# Altium PCB amp.PcbDoc (part 1 of 20) (continued)
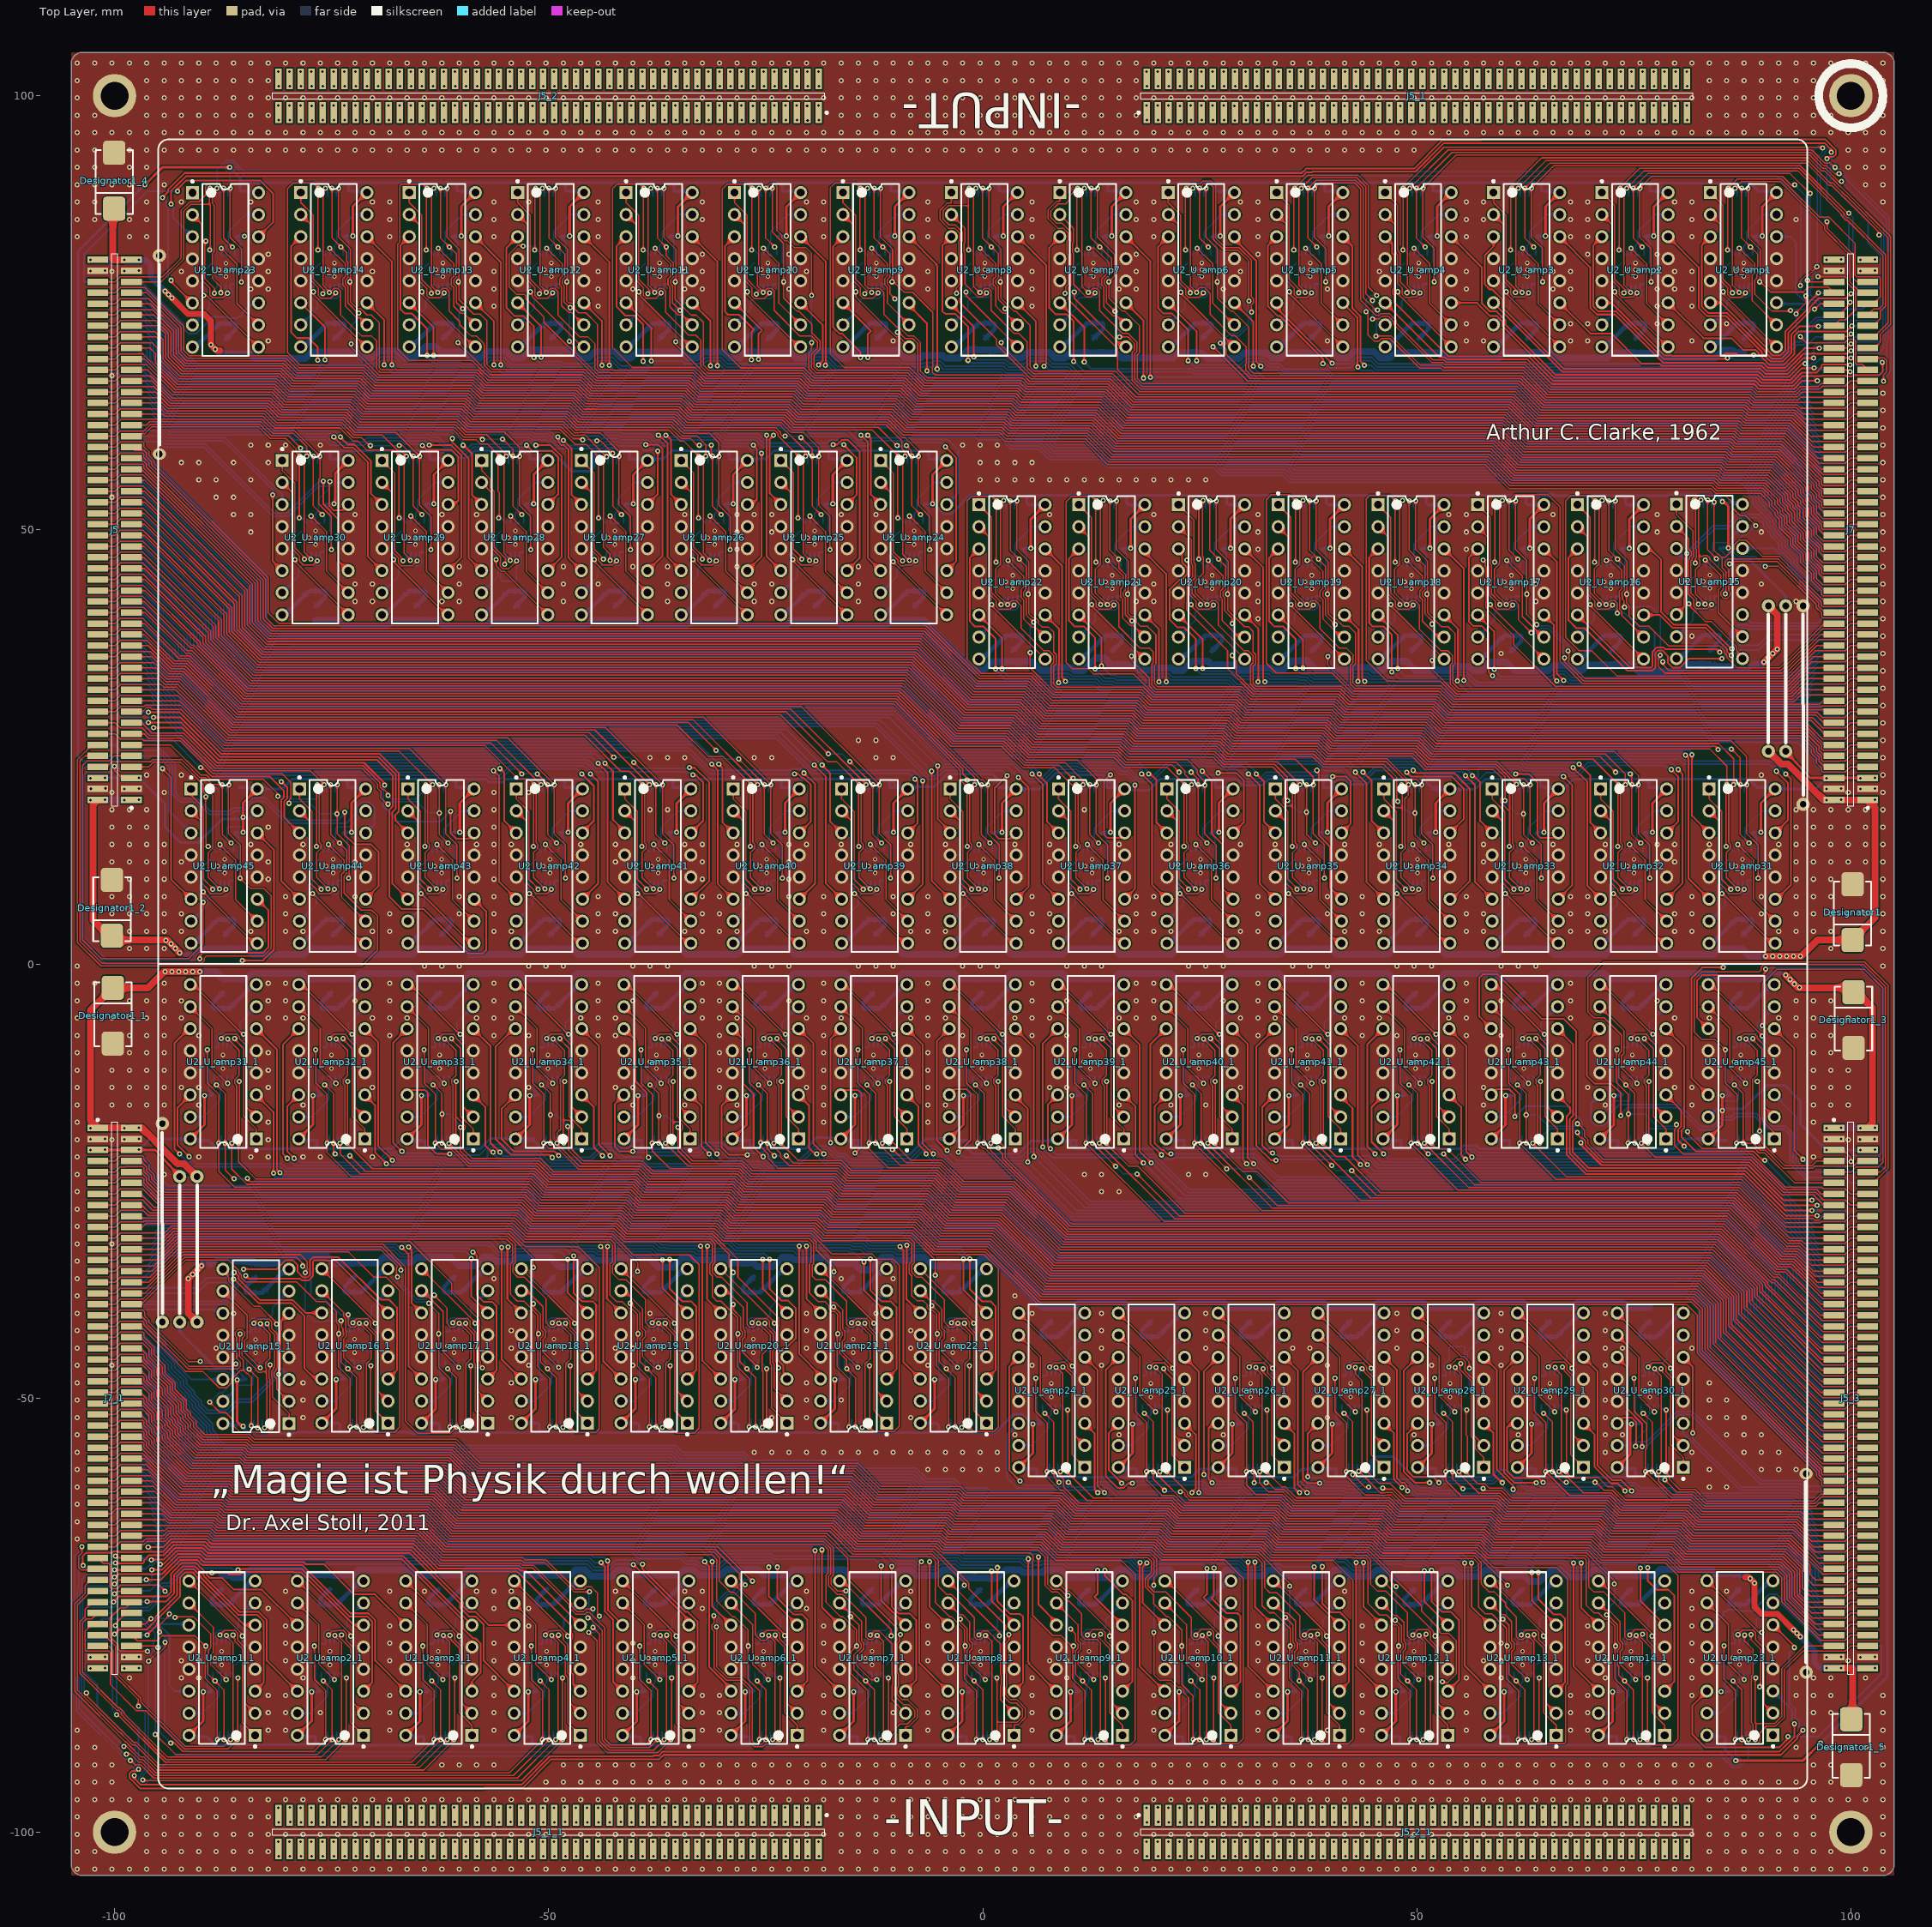
[diagram p0: Top Layer view]
## Design rules (kind name [scope] priority, off if disabled: settings) (continued)
RoomDefinition U_amp10 [InComponentClass('U_amp10')] p82: confinementstyle=ConfineIn formatcopy=FALSE lockcomponents=FALSE outline -30.029,69.106 -19.539,69.106 -19.539,91.007 -30.029,91.007
RoomDefinition U_amp9 [InComponentClass('U_amp9')] p83: confinementstyle=ConfineIn formatcopy=FALSE lockcomponents=FALSE outline -17.539,69.106 -7.049,69.106 -7.049,91.007 -17.539,91.007
RoomDefinition U_amp8 [InComponentClass('U_amp8')] p84: confinementstyle=ConfineIn formatcopy=FALSE lockcomponents=FALSE outline -5.049,69.106 5.441,69.106 5.441,91.007 -5.049,91.007
RoomDefinition U_amp7 [InComponentClass('U_amp7')] p85: confinementstyle=ConfineIn formatcopy=FALSE lockcomponents=FALSE outline 7.441,69.106 17.931,69.106 17.931,91.007 7.441,91.007
RoomDefinition U_amp6 [InComponentClass('U_amp6')] p86: confinementstyle=ConfineIn formatcopy=FALSE lockcomponents=FALSE outline 19.931,69.106 30.422,69.106 30.422,91.007 19.931,91.007
RoomDefinition U_amp5 [InComponentClass('U_amp5')] p87: confinementstyle=ConfineIn formatcopy=FALSE lockcomponents=FALSE outline 32.422,69.106 42.912,69.106 42.912,91.007 32.422,91.007
RoomDefinition U_amp4 [InComponentClass('U_amp4')] p88: confinementstyle=ConfineIn formatcopy=FALSE lockcomponents=FALSE outline 44.912,69.106 55.402,69.106 55.402,91.007 44.912,91.007
RoomDefinition U_amp3 [InComponentClass('U_amp3')] p89: confinementstyle=ConfineIn formatcopy=FALSE lockcomponents=FALSE outline 57.402,69.106 67.892,69.106 67.892,91.007 57.402,91.007
RoomDefinition U_amp2 [InComponentClass('U_amp2')] p90: confinementstyle=ConfineIn formatcopy=FALSE lockcomponents=FALSE outline 69.892,69.106 80.382,69.106 80.382,91.007 69.892,91.007
RoutingVias [All] p1: holewidth=0.3 width=0.6 viastyle="Through Hole" minholewidth=0.3 minwidth=0.5 maxholewidth=0.711 maxwidth=1.27
SolderMaskExpansion [All] p1: expansion=0.102
Width [All] p1: maxlimit=1 minlimit=0.15 preferedwidth=0.15
28 further rules are at their usual default settings.

## Classes and differential pairs
channel class amp: U_amp1 U_amp2 U_amp3 U_amp4 U_amp5 U_amp6 U_amp7 U_amp8 U_amp9 U_amp10 U_amp11 U_amp12 U_amp13 U_amp14 U_amp15 U_amp16 U_amp17 U_amp18 U_amp19 U_amp20 U_amp21 U_amp22 U_amp23 U_amp24 U_amp25 U_amp26 U_amp27 U_amp28 U_amp29 U_amp30 U_amp31 U_amp32 U_amp33 U_amp34 U_amp35 U_amp36 U_amp37 U_amp38 U_amp39 U_amp40 U_amp41 U_amp42 U_amp43 U_amp44 U_amp45 U_amp46 U_amp47 U_amp48 U_amp49 U_amp50 U_amp51 U_amp52 U_amp53 U_amp54 U_amp55 U_amp56 U_amp57 U_amp58 U_amp59 U_amp60 U_amp61 U_amp62 U_amp63 U_amp64 U_amp65 U_amp66 U_amp67 U_amp68 U_amp69 U_amp70 U_amp71 U_amp72 U_amp73 U_amp74 U_amp75 U_amp76 U_amp77 U_amp78 U_amp79 U_amp80 U_amp81 U_amp82 U_amp83 U_amp84 U_amp85 U_amp86 U_amp87 U_amp88 U_amp89 U_amp90
component class U_amp45: C1_U_amp45 C2_U_amp45 C3_U_amp45 C4_U_amp45 R1_U_amp45 R2_U_amp45 U1_U_amp45
component class U_amp44: C1_U_amp44 C2_U_amp44 C3_U_amp44 C4_U_amp44 R1_U_amp44 R2_U_amp44 U1_U_amp44 U2_U_amp44
component class U_amp43: C1_U_amp43 C2_U_amp43 C3_U_amp43 C4_U_amp43 R1_U_amp43 R2_U_amp43 U1_U_amp43 U2_U_amp43
component class U_amp42: C1_U_amp42 C2_U_amp42 C3_U_amp42 C4_U_amp42 R1_U_amp42 R2_U_amp42 U1_U_amp42 U2_U_amp42
component class U_amp41: C1_U_amp41 C2_U_amp41 C3_U_amp41 C4_U_amp41 R1_U_amp41 R2_U_amp41 U1_U_amp41 U2_U_amp41
component class U_amp40: C1_U_amp40 C2_U_amp40 C3_U_amp40 C4_U_amp40 R1_U_amp40 R2_U_amp40 U1_U_amp40 U2_U_amp40
component class U_amp39: C1_U_amp39 C2_U_amp39 C3_U_amp39 C4_U_amp39 R1_U_amp39 R2_U_amp39 U1_U_amp39 U2_U_amp39
component class U_amp38: C1_U_amp38 C2_U_amp38 C3_U_amp38 C4_U_amp38 R1_U_amp38 R2_U_amp38 U1_U_amp38 U2_U_amp38
component class U_amp37: C1_U_amp37 C2_U_amp37 C3_U_amp37 C4_U_amp37 R1_U_amp37 R2_U_amp37 U1_U_amp37 U2_U_amp37
component class U_amp36: C1_U_amp36 C2_U_amp36 C3_U_amp36 C4_U_amp36 R1_U_amp36 R2_U_amp36 U1_U_amp36 U2_U_amp36
component class U_amp35: C1_U_amp35 C2_U_amp35 C3_U_amp35 C4_U_amp35 R1_U_amp35 R2_U_amp35 U1_U_amp35 U2_U_amp35
component class U_amp34: C1_U_amp34 C2_U_amp34 C3_U_amp34 C4_U_amp34 R1_U_amp34 R2_U_amp34 U1_U_amp34 U2_U_amp34
component class U_amp33: C1_U_amp33 C2_U_amp33 C3_U_amp33 C4_U_amp33 R1_U_amp33 R2_U_amp33 U1_U_amp33 U2_U_amp33
component class U_amp32: C1_U_amp32 C2_U_amp32 C3_U_amp32 C4_U_amp32 R1_U_amp32 R2_U_amp32 U1_U_amp32 U2_U_amp32
component class U_amp31: C1_U_amp31 C2_U_amp31 C3_U_amp31 C4_U_amp31 R1_U_amp31 R2_U_amp31 U1_U_amp31 U2_U_amp31
component class U_amp30: C1_U_amp30 C2_U_amp30 C3_U_amp30 C4_U_amp30 R1_U_amp30 R2_U_amp30 U1_U_amp30 U2_U_amp30
component class U_amp29: C1_U_amp29 C2_U_amp29 C3_U_amp29 C4_U_amp29 R1_U_amp29 R2_U_amp29 U1_U_amp29 U2_U_amp29
component class U_amp28: C1_U_amp28 C2_U_amp28 C3_U_amp28 C4_U_amp28 R1_U_amp28 R2_U_amp28 U1_U_amp28 U2_U_amp28
component class U_amp27: C1_U_amp27 C2_U_amp27 C3_U_amp27 C4_U_amp27 R1_U_amp27 R2_U_amp27 U1_U_amp27 U2_U_amp27
component class U_amp26: C1_U_amp26 C2_U_amp26 C3_U_amp26 C4_U_amp26 R1_U_amp26 R2_U_amp26 U1_U_amp26 U2_U_amp26
component class U_amp25: C1_U_amp25 C2_U_amp25 C3_U_amp25 C4_U_amp25 R1_U_amp25 R2_U_amp25 U1_U_amp25 U2_U_amp25
component class U_amp24: C1_U_amp24 C2_U_amp24 C3_U_amp24 C4_U_amp24 R1_U_amp24 R2_U_amp24 U1_U_amp24 U2_U_amp24
component class U_amp23: C1_U_amp23 C2_U_amp23 C3_U_amp23 C4_U_amp23 R1_U_amp23 R2_U_amp23 U1_U_amp23 U2_U_amp23
component class U_amp22: C1_U_amp22 C2_U_amp22 C3_U_amp22 C4_U_amp22 R1_U_amp22 R2_U_amp22 U1_U_amp22 U2_U_amp22
component class U_amp21: C1_U_amp21 C2_U_amp21 C3_U_amp21 C4_U_amp21 R1_U_amp21 R2_U_amp21 U1_U_amp21 U2_U_amp21
component class U_amp20: C1_U_amp20 C2_U_amp20 C3_U_amp20 C4_U_amp20 R1_U_amp20 R2_U_amp20 U1_U_amp20 U2_U_amp20
component class U_amp19: C1_U_amp19 C2_U_amp19 C3_U_amp19 C4_U_amp19 R1_U_amp19 R2_U_amp19 U1_U_amp19 U2_U_amp19
component class U_amp18: C1_U_amp18 C2_U_amp18 C3_U_amp18 C4_U_amp18 R1_U_amp18 R2_U_amp18 U1_U_amp18
component class U_amp17: C1_U_amp17 C2_U_amp17 C3_U_amp17 C4_U_amp17 R1_U_amp17 R2_U_amp17 U1_U_amp17 U2_U_amp17
component class U_amp16: C1_U_amp16 C2_U_amp16 C3_U_amp16 C4_U_amp16 R1_U_amp16 R2_U_amp16 U1_U_amp16 U2_U_amp16
component class U_amp15: C1_U_amp15 C2_U_amp15 C3_U_amp15 C4_U_amp15 R1_U_amp15 R2_U_amp15 U1_U_amp15 U2_U_amp15
component class U_amp14: C1_U_amp14 C2_U_amp14 C3_U_amp14 C4_U_amp14 R1_U_amp14 R2_U_amp14 U1_U_amp14 U2_U_amp14
component class U_amp13: C1_U_amp13 C2_U_amp13 C3_U_amp13 C4_U_amp13 R1_U_amp13 R2_U_amp13 U1_U_amp13
component class U_amp12: C1_U_amp12 C2_U_amp12 C3_U_amp12 C4_U_amp12 R1_U_amp12 R2_U_amp12 U1_U_amp12 U2_U_amp12
component class U_amp11: C1_U_amp11 C2_U_amp11 C3_U_amp11 C4_U_amp11 R1_U_amp11 R2_U_amp11 U1_U_amp11 U2_U_amp11
component class U_amp10: C1_U_amp10 C2_U_amp10 C3_U_amp10 C4_U_amp10 R1_U_amp10 R2_U_amp10 U1_U_amp10 U2_U_amp10
component class U_amp9: C1_U_amp9 C2_U_amp9 C3_U_amp9 C4_U_amp9 R1_U_amp9 R2_U_amp9 U1_U_amp9 U2_U_amp9
component class U_amp8: C1_U_amp8 C2_U_amp8 C3_U_amp8 C4_U_amp8 R1_U_amp8 R2_U_amp8 U1_U_amp8 U2_U_amp8
component class U_amp7: C1_U_amp7 C2_U_amp7 C3_U_amp7 C4_U_amp7 R1_U_amp7 R2_U_amp7 U1_U_amp7 U2_U_amp7
component class U_amp6: C1_U_amp6 C2_U_amp6 C3_U_amp6 C4_U_amp6 R1_U_amp6 R2_U_amp6 U1_U_amp6 U2_U_amp6
component class U_amp5: C1_U_amp5 C2_U_amp5 C3_U_amp5 C4_U_amp5 R1_U_amp5 R2_U_amp5 U1_U_amp5 U2_U_amp5
component class U_amp4: C1_U_amp4 C2_U_amp4 C3_U_amp4 C4_U_amp4 R1_U_amp4 R2_U_amp4 U1_U_amp4 U2_U_amp4
component class U_amp3: C1_U_amp3 C2_U_amp3 C3_U_amp3 C4_U_amp3 R1_U_amp3 R2_U_amp3 U1_U_amp3 U2_U_amp3
component class U_amp2: C1_U_amp2 C2_U_amp2 C3_U_amp2 C4_U_amp2 R1_U_amp2 R2_U_amp2 U1_U_amp2 U2_U_amp2
component class U_amp1: C1_U_amp1 C2_U_amp1 C3_U_amp1 C4_U_amp1 R1_U_amp1 R2_U_amp1 U1_U_amp1 U2_U_amp1
component class main: J5 J6 J7 J8

## Components (designator, comment, footprint, x,y, rotation, side; value= is the part's Value field where it differs from the comment)
C1_U_amp1 "100n 50V" C-0603-M 89.355,88.213 r90 bottom (schematic designator C1)
C1_U_amp1_1 "100n 50V" C-0603-M -89.355,-88.213 r270 bottom (schematic designator C1)
C1_U_amp2 "100n 50V" C-0603-M 76.865,88.213 r90 bottom (schematic designator C1)
C1_U_amp2_1 "100n 50V" C-0603-M -76.865,-88.213 r270 bottom (schematic designator C1)
C1_U_amp3 "100n 50V" C-0603-M 64.375,88.213 r90 bottom (schematic designator C1)
C1_U_amp3_1 "100n 50V" C-0603-M -64.375,-88.213 r270 bottom (schematic designator C1)
C1_U_amp4 "100n 50V" C-0603-M 51.885,88.213 r90 bottom (schematic designator C1)
C1_U_amp4_1 "100n 50V" C-0603-M -51.885,-88.213 r270 bottom (schematic designator C1)
C1_U_amp5 "100n 50V" C-0603-M 39.395,88.213 r90 bottom (schematic designator C1)
C1_U_amp5_1 "100n 50V" C-0603-M -39.395,-88.213 r270 bottom (schematic designator C1)
C1_U_amp6 "100n 50V" C-0603-M 26.904,88.213 r90 bottom (schematic designator C1)
C1_U_amp6_1 "100n 50V" C-0603-M -26.904,-88.213 r270 bottom (schematic designator C1)
C1_U_amp7 "100n 50V" C-0603-M 14.414,88.213 r90 bottom (schematic designator C1)
C1_U_amp7_1 "100n 50V" C-0603-M -14.414,-88.213 r270 bottom (schematic designator C1)
C1_U_amp8 "100n 50V" C-0603-M 1.924,88.213 r90 bottom (schematic designator C1)
C1_U_amp8_1 "100n 50V" C-0603-M -1.924,-88.213 r270 bottom (schematic designator C1)
C1_U_amp9 "100n 50V" C-0603-M -10.566,88.213 r90 bottom (schematic designator C1)
C1_U_amp9_1 "100n 50V" C-0603-M 10.566,-88.213 r270 bottom (schematic designator C1)
C1_U_amp10 "100n 50V" C-0603-M -23.056,88.213 r90 bottom (schematic designator C1)
C1_U_amp10_1 "100n 50V" C-0603-M 23.056,-88.213 r270 bottom (schematic designator C1)
C1_U_amp11 "100n 50V" C-0603-M -35.547,88.213 r90 bottom (schematic designator C1)
C1_U_amp11_1 "100n 50V" C-0603-M 35.547,-88.213 r270 bottom (schematic designator C1)
C1_U_amp12 "100n 50V" C-0603-M -48.037,88.213 r90 bottom (schematic designator C1)
C1_U_amp12_1 "100n 50V" C-0603-M 48.037,-88.213 r270 bottom (schematic designator C1)
C1_U_amp13 "100n 50V" C-0603-M -60.527,88.213 r90 bottom (schematic designator C1)
C1_U_amp13_1 "100n 50V" C-0603-M 60.527,-88.213 r270 bottom (schematic designator C1)
C1_U_amp14 "100n 50V" C-0603-M -73.017,88.213 r90 bottom (schematic designator C1)
C1_U_amp14_1 "100n 50V" C-0603-M 73.017,-88.213 r270 bottom (schematic designator C1)
C1_U_amp15 "100n 50V" C-0603-M 85.402,52.577 r90 bottom (schematic designator C1)
C1_U_amp15_1 "100n 50V" C-0603-M -85.402,-52.577 r270 bottom (schematic designator C1)
C1_U_amp16 "100n 50V" C-0603-M 74.045,52.253 r90 bottom (schematic designator C1)
C1_U_amp16_1 "100n 50V" C-0603-M -74.045,-52.253 r270 bottom (schematic designator C1)
C1_U_amp17 "100n 50V" C-0603-M 62.555,52.253 r90 bottom (schematic designator C1)
C1_U_amp17_1 "100n 50V" C-0603-M -62.555,-52.253 r270 bottom (schematic designator C1)
C1_U_amp18 "100n 50V" C-0603-M 51.065,52.253 r90 bottom (schematic designator C1)
C1_U_amp18_1 "100n 50V" C-0603-M -51.065,-52.253 r270 bottom (schematic designator C1)
C1_U_amp19 "100n 50V" C-0603-M 39.575,52.253 r90 bottom (schematic designator C1)
C1_U_amp19_1 "100n 50V" C-0603-M -39.575,-52.253 r270 bottom (schematic designator C1)
C1_U_amp20 "100n 50V" C-0603-M 28.084,52.253 r90 bottom (schematic designator C1)
C1_U_amp20_1 "100n 50V" C-0603-M -28.084,-52.253 r270 bottom (schematic designator C1)
C1_U_amp21 "100n 50V" C-0603-M 16.594,52.253 r90 bottom (schematic designator C1)
C1_U_amp21_1 "100n 50V" C-0603-M -16.594,-52.253 r270 bottom (schematic designator C1)
C1_U_amp22 "100n 50V" C-0603-M 5.104,52.253 r90 bottom (schematic designator C1)
C1_U_amp22_1 "100n 50V" C-0603-M -5.104,-52.253 r270 bottom (schematic designator C1)
C1_U_amp23 "100n 50V" C-0603-M -85.506,88.193 r90 bottom (schematic designator C1)
C1_U_amp23_1 "100n 50V" C-0603-M 85.506,-88.193 r270 bottom (schematic designator C1)
C1_U_amp24 "100n 50V" C-0603-M -6.222,57.359 r90 bottom (schematic designator C1)
C1_U_amp24_1 "100n 50V" C-0603-M 6.222,-57.359 r270 bottom (schematic designator C1)
C1_U_amp25 "100n 50V" C-0603-M -17.712,57.359 r90 bottom (schematic designator C1)
C1_U_amp25_1 "100n 50V" C-0603-M 17.712,-57.359 r270 bottom (schematic designator C1)
C1_U_amp26 "100n 50V" C-0603-M -29.202,57.359 r90 bottom (schematic designator C1)
C1_U_amp26_1 "100n 50V" C-0603-M 29.202,-57.359 r270 bottom (schematic designator C1)
C1_U_amp27 "100n 50V" C-0603-M -40.693,57.359 r90 bottom (schematic designator C1)
C1_U_amp27_1 "100n 50V" C-0603-M 40.693,-57.359 r270 bottom (schematic designator C1)
C1_U_amp28 "100n 50V" C-0603-M -52.183,57.359 r90 bottom (schematic designator C1)
C1_U_amp28_1 "100n 50V" C-0603-M 52.183,-57.359 r270 bottom (schematic designator C1)
C1_U_amp29 "100n 50V" C-0603-M -63.673,57.359 r90 bottom (schematic designator C1)
C1_U_amp29_1 "100n 50V" C-0603-M 63.673,-57.359 r270 bottom (schematic designator C1)
C1_U_amp30 "100n 50V" C-0603-M -75.163,57.359 r90 bottom (schematic designator C1)
C1_U_amp30_1 "100n 50V" C-0603-M 75.163,-57.359 r270 bottom (schematic designator C1)
C1_U_amp31 "100n 50V" C-0603-M 89.203,19.526 r90 bottom (schematic designator C1)
C1_U_amp31_1 "100n 50V" C-0603-M -89.203,-19.526 r270 bottom (schematic designator C1)
C1_U_amp32 "100n 50V" C-0603-M 76.713,19.526 r90 bottom (schematic designator C1)
C1_U_amp32_1 "100n 50V" C-0603-M -76.713,-19.526 r270 bottom (schematic designator C1)
C1_U_amp33 "100n 50V" C-0603-M 64.223,19.526 r90 bottom (schematic designator C1)
C1_U_amp33_1 "100n 50V" C-0603-M -64.223,-19.526 r270 bottom (schematic designator C1)
C1_U_amp34 "100n 50V" C-0603-M 51.732,19.526 r90 bottom (schematic designator C1)
C1_U_amp34_1 "100n 50V" C-0603-M -51.732,-19.526 r270 bottom (schematic designator C1)
C1_U_amp35 "100n 50V" C-0603-M 39.242,19.526 r90 bottom (schematic designator C1)
C1_U_amp35_1 "100n 50V" C-0603-M -39.242,-19.526 r270 bottom (schematic designator C1)
C1_U_amp36 "100n 50V" C-0603-M 26.752,19.526 r90 bottom (schematic designator C1)
C1_U_amp36_1 "100n 50V" C-0603-M -26.752,-19.526 r270 bottom (schematic designator C1)
C1_U_amp37 "100n 50V" C-0603-M 14.262,19.526 r90 bottom (schematic designator C1)
C1_U_amp37_1 "100n 50V" C-0603-M -14.262,-19.526 r270 bottom (schematic designator C1)
C1_U_amp38 "100n 50V" C-0603-M 1.772,19.526 r90 bottom (schematic designator C1)
C1_U_amp38_1 "100n 50V" C-0603-M -1.772,-19.526 r270 bottom (schematic designator C1)
C1_U_amp39 "100n 50V" C-0603-M -10.719,19.526 r90 bottom (schematic designator C1)
C1_U_amp39_1 "100n 50V" C-0603-M 10.719,-19.526 r270 bottom (schematic designator C1)
C1_U_amp40 "100n 50V" C-0603-M -23.209,19.526 r90 bottom (schematic designator C1)
C1_U_amp40_1 "100n 50V" C-0603-M 23.209,-19.526 r270 bottom (schematic designator C1)
C1_U_amp41 "100n 50V" C-0603-M -35.699,19.526 r90 bottom (schematic designator C1)
C1_U_amp41_1 "100n 50V" C-0603-M 35.699,-19.526 r270 bottom (schematic designator C1)
C1_U_amp42 "100n 50V" C-0603-M -48.189,19.526 r90 bottom (schematic designator C1)
C1_U_amp42_1 "100n 50V" C-0603-M 48.189,-19.526 r270 bottom (schematic designator C1)
C1_U_amp43 "100n 50V" C-0603-M -60.679,19.526 r90 bottom (schematic designator C1)
C1_U_amp43_1 "100n 50V" C-0603-M 60.679,-19.526 r270 bottom (schematic designator C1)
C1_U_amp44 "100n 50V" C-0603-M -73.17,19.526 r90 bottom (schematic designator C1)
C1_U_amp44_1 "100n 50V" C-0603-M 73.17,-19.526 r270 bottom (schematic designator C1)
C1_U_amp45 "100n 50V" C-0603-M -85.8,19.6 r90 bottom (schematic designator C1)
C1_U_amp45_1 "100n 50V" C-0603-M 85.8,-19.6 r270 bottom (schematic designator C1)
C2_U_amp1 "100n 50V" C-0603-M 87.976,83.739 r0 bottom (schematic designator C2)
C2_U_amp1_1 "100n 50V" C-0603-M -87.976,-83.739 r180 bottom (schematic designator C2)
C2_U_amp2 "100n 50V" C-0603-M 75.486,83.739 r0 bottom (schematic designator C2)
C2_U_amp2_1 "100n 50V" C-0603-M -75.486,-83.739 r180 bottom (schematic designator C2)
C2_U_amp3 "100n 50V" C-0603-M 62.996,83.739 r0 bottom (schematic designator C2)
C2_U_amp3_1 "100n 50V" C-0603-M -62.996,-83.739 r180 bottom (schematic designator C2)
C2_U_amp4 "100n 50V" C-0603-M 50.506,83.739 r0 bottom (schematic designator C2)
C2_U_amp4_1 "100n 50V" C-0603-M -50.506,-83.739 r180 bottom (schematic designator C2)
C2_U_amp5 "100n 50V" C-0603-M 38.015,83.739 r0 bottom (schematic designator C2)
C2_U_amp5_1 "100n 50V" C-0603-M -38.015,-83.739 r180 bottom (schematic designator C2)
C2_U_amp6 "100n 50V" C-0603-M 25.525,83.739 r0 bottom (schematic designator C2)
C2_U_amp6_1 "100n 50V" C-0603-M -25.525,-83.739 r180 bottom (schematic designator C2)
C2_U_amp7 "100n 50V" C-0603-M 13.035,83.739 r0 bottom (schematic designator C2)
C2_U_amp7_1 "100n 50V" C-0603-M -13.035,-83.739 r180 bottom (schematic designator C2)
C2_U_amp8 "100n 50V" C-0603-M 0.545,83.739 r0 bottom (schematic designator C2)
C2_U_amp8_1 "100n 50V" C-0603-M -0.545,-83.739 r180 bottom (schematic designator C2)
C2_U_amp9 "100n 50V" C-0603-M -11.945,83.739 r0 bottom (schematic designator C2)
C2_U_amp9_1 "100n 50V" C-0603-M 11.945,-83.739 r180 bottom (schematic designator C2)
C2_U_amp10 "100n 50V" C-0603-M -24.436,83.739 r0 bottom (schematic designator C2)
C2_U_amp10_1 "100n 50V" C-0603-M 24.436,-83.739 r180 bottom (schematic designator C2)
C2_U_amp11 "100n 50V" C-0603-M -36.926,83.739 r0 bottom (schematic designator C2)
C2_U_amp11_1 "100n 50V" C-0603-M 36.926,-83.739 r180 bottom (schematic designator C2)
C2_U_amp12 "100n 50V" C-0603-M -49.416,83.739 r0 bottom (schematic designator C2)
C2_U_amp12_1 "100n 50V" C-0603-M 49.416,-83.739 r180 bottom (schematic designator C2)
C2_U_amp13 "100n 50V" C-0603-M -61.906,83.739 r0 bottom (schematic designator C2)
C2_U_amp13_1 "100n 50V" C-0603-M 61.906,-83.739 r180 bottom (schematic designator C2)
C2_U_amp14 "100n 50V" C-0603-M -74.396,83.739 r0 bottom (schematic designator C2)
C2_U_amp14_1 "100n 50V" C-0603-M 74.396,-83.739 r180 bottom (schematic designator C2)
C2_U_amp15 "100n 50V" C-0603-M 84.064,47.822 r0 bottom (schematic designator C2)
C2_U_amp15_1 "100n 50V" C-0603-M -84.064,-47.822 r180 bottom (schematic designator C2)
C2_U_amp16 "100n 50V" C-0603-M 72.666,47.779 r0 bottom (schematic designator C2)
C2_U_amp16_1 "100n 50V" C-0603-M -72.666,-47.779 r180 bottom (schematic designator C2)
C2_U_amp17 "100n 50V" C-0603-M 61.176,47.779 r0 bottom (schematic designator C2)
C2_U_amp17_1 "100n 50V" C-0603-M -61.176,-47.779 r180 bottom (schematic designator C2)
C2_U_amp18 "100n 50V" C-0603-M 49.686,47.779 r0 bottom (schematic designator C2)
C2_U_amp18_1 "100n 50V" C-0603-M -49.686,-47.779 r180 bottom (schematic designator C2)
C2_U_amp19 "100n 50V" C-0603-M 38.195,47.779 r0 bottom (schematic designator C2)
C2_U_amp19_1 "100n 50V" C-0603-M -38.195,-47.779 r180 bottom (schematic designator C2)
C2_U_amp20 "100n 50V" C-0603-M 26.705,47.779 r0 bottom (schematic designator C2)
C2_U_amp20_1 "100n 50V" C-0603-M -26.705,-47.779 r180 bottom (schematic designator C2)
C2_U_amp21 "100n 50V" C-0603-M 15.215,47.779 r0 bottom (schematic designator C2)
C2_U_amp21_1 "100n 50V" C-0603-M -15.215,-47.779 r180 bottom (schematic designator C2)
C2_U_amp22 "100n 50V" C-0603-M 3.725,47.779 r0 bottom (schematic designator C2)
C2_U_amp22_1 "100n 50V" C-0603-M -3.725,-47.779 r180 bottom (schematic designator C2)
C2_U_amp23 "100n 50V" C-0603-M -86.885,83.719 r0 bottom (schematic designator C2)
C2_U_amp23_1 "100n 50V" C-0603-M 86.885,-83.719 r180 bottom (schematic designator C2)
C2_U_amp24 "100n 50V" C-0603-M -7.601,52.885 r0 bottom (schematic designator C2)
C2_U_amp24_1 "100n 50V" C-0603-M 7.601,-52.885 r180 bottom (schematic designator C2)
C2_U_amp25 "100n 50V" C-0603-M -19.091,52.885 r0 bottom (schematic designator C2)
C2_U_amp25_1 "100n 50V" C-0603-M 19.091,-52.885 r180 bottom (schematic designator C2)
C2_U_amp26 "100n 50V" C-0603-M -30.582,52.885 r0 bottom (schematic designator C2)
C2_U_amp26_1 "100n 50V" C-0603-M 30.582,-52.885 r180 bottom (schematic designator C2)
C2_U_amp27 "100n 50V" C-0603-M -42.072,52.885 r0 bottom (schematic designator C2)
C2_U_amp27_1 "100n 50V" C-0603-M 42.072,-52.885 r180 bottom (schematic designator C2)
C2_U_amp28 "100n 50V" C-0603-M -53.562,52.885 r0 bottom (schematic designator C2)
C2_U_amp28_1 "100n 50V" C-0603-M 53.562,-52.885 r180 bottom (schematic designator C2)
C2_U_amp29 "100n 50V" C-0603-M -65.052,52.885 r0 bottom (schematic designator C2)
C2_U_amp29_1 "100n 50V" C-0603-M 65.052,-52.885 r180 bottom (schematic designator C2)
C2_U_amp30 "100n 50V" C-0603-M -76.542,52.885 r0 bottom (schematic designator C2)
C2_U_amp30_1 "100n 50V" C-0603-M 76.542,-52.885 r180 bottom (schematic designator C2)
C2_U_amp31 "100n 50V" C-0603-M 87.824,15.052 r0 bottom (schematic designator C2)
C2_U_amp31_1 "100n 50V" C-0603-M -87.824,-15.052 r180 bottom (schematic designator C2)
C2_U_amp32 "100n 50V" C-0603-M 75.334,15.052 r0 bottom (schematic designator C2)
C2_U_amp32_1 "100n 50V" C-0603-M -75.334,-15.052 r180 bottom (schematic designator C2)
C2_U_amp33 "100n 50V" C-0603-M 62.843,15.052 r0 bottom (schematic designator C2)
C2_U_amp33_1 "100n 50V" C-0603-M -62.843,-15.052 r180 bottom (schematic designator C2)
C2_U_amp34 "100n 50V" C-0603-M 50.353,15.052 r0 bottom (schematic designator C2)
C2_U_amp34_1 "100n 50V" C-0603-M -50.353,-15.052 r180 bottom (schematic designator C2)
C2_U_amp35 "100n 50V" C-0603-M 37.863,15.052 r0 bottom (schematic designator C2)
C2_U_amp35_1 "100n 50V" C-0603-M -37.863,-15.052 r180 bottom (schematic designator C2)
C2_U_amp36 "100n 50V" C-0603-M 25.373,15.052 r0 bottom (schematic designator C2)
C2_U_amp36_1 "100n 50V" C-0603-M -25.373,-15.052 r180 bottom (schematic designator C2)
C2_U_amp37 "100n 50V" C-0603-M 12.883,15.052 r0 bottom (schematic designator C2)
C2_U_amp37_1 "100n 50V" C-0603-M -12.883,-15.052 r180 bottom (schematic designator C2)
C2_U_amp38 "100n 50V" C-0603-M 0.392,15.052 r0 bottom (schematic designator C2)
C2_U_amp38_1 "100n 50V" C-0603-M -0.392,-15.052 r180 bottom (schematic designator C2)
C2_U_amp39 "100n 50V" C-0603-M -12.098,15.052 r0 bottom (schematic designator C2)
C2_U_amp39_1 "100n 50V" C-0603-M 12.098,-15.052 r180 bottom (schematic designator C2)
C2_U_amp40 "100n 50V" C-0603-M -24.588,15.052 r0 bottom (schematic designator C2)
C2_U_amp40_1 "100n 50V" C-0603-M 24.588,-15.052 r180 bottom (schematic designator C2)
C2_U_amp41 "100n 50V" C-0603-M -37.078,15.052 r0 bottom (schematic designator C2)
C2_U_amp41_1 "100n 50V" C-0603-M 37.078,-15.052 r180 bottom (schematic designator C2)
C2_U_amp42 "100n 50V" C-0603-M -49.568,15.052 r0 bottom (schematic designator C2)
C2_U_amp42_1 "100n 50V" C-0603-M 49.568,-15.052 r180 bottom (schematic designator C2)
C2_U_amp43 "100n 50V" C-0603-M -62.059,15.052 r0 bottom (schematic designator C2)
C2_U_amp43_1 "100n 50V" C-0603-M 62.059,-15.052 r180 bottom (schematic designator C2)
C2_U_amp44 "100n 50V" C-0603-M -74.549,15.052 r0 bottom (schematic designator C2)
C2_U_amp44_1 "100n 50V" C-0603-M 74.549,-15.052 r180 bottom (schematic designator C2)
C2_U_amp45 "100n 50V" C-0603-M -87.039,15.052 r0 bottom (schematic designator C2)
C2_U_amp45_1 "100n 50V" C-0603-M 87.039,-15.052 r180 bottom (schematic designator C2)
C3_U_amp1 "100n 50V" C-0603-M 88.814,74.493 r270 bottom (schematic designator C3)
C3_U_amp1_1 "100n 50V" C-0603-M -88.814,-74.493 r90 bottom (schematic designator C3)
C3_U_amp2 "100n 50V" C-0603-M 76.324,74.493 r270 bottom (schematic designator C3)
C3_U_amp2_1 "100n 50V" C-0603-M -76.324,-74.493 r90 bottom (schematic designator C3)
C3_U_amp3 "100n 50V" C-0603-M 63.834,74.493 r270 bottom (schematic designator C3)
C3_U_amp3_1 "100n 50V" C-0603-M -63.834,-74.493 r90 bottom (schematic designator C3)
C3_U_amp4 "100n 50V" C-0603-M 51.344,74.493 r270 bottom (schematic designator C3)
C3_U_amp4_1 "100n 50V" C-0603-M -51.344,-74.493 r90 bottom (schematic designator C3)
C3_U_amp5 "100n 50V" C-0603-M 38.854,74.493 r270 bottom (schematic designator C3)
C3_U_amp5_1 "100n 50V" C-0603-M -38.854,-74.493 r90 bottom (schematic designator C3)
C3_U_amp6 "100n 50V" C-0603-M 26.363,74.493 r270 bottom (schematic designator C3)
C3_U_amp6_1 "100n 50V" C-0603-M -26.363,-74.493 r90 bottom (schematic designator C3)
C3_U_amp7 "100n 50V" C-0603-M 13.873,74.493 r270 bottom (schematic designator C3)
C3_U_amp7_1 "100n 50V" C-0603-M -13.873,-74.493 r90 bottom (schematic designator C3)
C3_U_amp8 "100n 50V" C-0603-M 1.383,74.493 r270 bottom (schematic designator C3)
C3_U_amp8_1 "100n 50V" C-0603-M -1.383,-74.493 r90 bottom (schematic designator C3)
C3_U_amp9 "100n 50V" C-0603-M -11.107,74.493 r270 bottom (schematic designator C3)
C3_U_amp9_1 "100n 50V" C-0603-M 11.107,-74.493 r90 bottom (schematic designator C3)
C3_U_amp10 "100n 50V" C-0603-M -23.597,74.493 r270 bottom (schematic designator C3)
C3_U_amp10_1 "100n 50V" C-0603-M 23.597,-74.493 r90 bottom (schematic designator C3)
C3_U_amp11 "100n 50V" C-0603-M -36.088,74.493 r270 bottom (schematic designator C3)
C3_U_amp11_1 "100n 50V" C-0603-M 36.088,-74.493 r90 bottom (schematic designator C3)
C3_U_amp12 "100n 50V" C-0603-M -48.578,74.493 r270 bottom (schematic designator C3)
C3_U_amp12_1 "100n 50V" C-0603-M 48.578,-74.493 r90 bottom (schematic designator C3)
C3_U_amp13 "100n 50V" C-0603-M -61.068,74.493 r270 bottom (schematic designator C3)
C3_U_amp13_1 "100n 50V" C-0603-M 61.068,-74.493 r90 bottom (schematic designator C3)
C3_U_amp14 "100n 50V" C-0603-M -73.558,74.493 r270 bottom (schematic designator C3)
C3_U_amp14_1 "100n 50V" C-0603-M 73.558,-74.493 r90 bottom (schematic designator C3)
C3_U_amp15 "100n 50V" C-0603-M 84.902,38.577 r270 bottom (schematic designator C3)
C3_U_amp15_1 "100n 50V" C-0603-M -84.902,-38.577 r90 bottom (schematic designator C3)
C3_U_amp16 "100n 50V" C-0603-M 73.504,38.533 r270 bottom (schematic designator C3)
C3_U_amp16_1 "100n 50V" C-0603-M -73.504,-38.533 r90 bottom (schematic designator C3)
C3_U_amp17 "100n 50V" C-0603-M 62.014,38.533 r270 bottom (schematic designator C3)
C3_U_amp17_1 "100n 50V" C-0603-M -62.014,-38.533 r90 bottom (schematic designator C3)
C3_U_amp18 "100n 50V" C-0603-M 50.524,38.533 r270 bottom (schematic designator C3)
C3_U_amp18_1 "100n 50V" C-0603-M -50.524,-38.533 r90 bottom (schematic designator C3)
C3_U_amp19 "100n 50V" C-0603-M 39.034,38.533 r270 bottom (schematic designator C3)
C3_U_amp19_1 "100n 50V" C-0603-M -39.034,-38.533 r90 bottom (schematic designator C3)
C3_U_amp20 "100n 50V" C-0603-M 27.543,38.533 r270 bottom (schematic designator C3)
C3_U_amp20_1 "100n 50V" C-0603-M -27.543,-38.533 r90 bottom (schematic designator C3)
C3_U_amp21 "100n 50V" C-0603-M 16.053,38.533 r270 bottom (schematic designator C3)
C3_U_amp21_1 "100n 50V" C-0603-M -16.053,-38.533 r90 bottom (schematic designator C3)
C3_U_amp22 "100n 50V" C-0603-M 4.563,38.533 r270 bottom (schematic designator C3)
C3_U_amp22_1 "100n 50V" C-0603-M -4.563,-38.533 r90 bottom (schematic designator C3)
C3_U_amp23 "100n 50V" C-0603-M -86.047,74.473 r270 bottom (schematic designator C3)
C3_U_amp23_1 "100n 50V" C-0603-M 86.047,-74.473 r90 bottom (schematic designator C3)
C3_U_amp24 "100n 50V" C-0603-M -6.763,43.639 r270 bottom (schematic designator C3)
C3_U_amp24_1 "100n 50V" C-0603-M 6.763,-43.639 r90 bottom (schematic designator C3)
C3_U_amp25 "100n 50V" C-0603-M -18.253,43.639 r270 bottom (schematic designator C3)
C3_U_amp25_1 "100n 50V" C-0603-M 18.253,-43.639 r90 bottom (schematic designator C3)
C3_U_amp26 "100n 50V" C-0603-M -29.743,43.639 r270 bottom (schematic designator C3)
C3_U_amp26_1 "100n 50V" C-0603-M 29.743,-43.639 r90 bottom (schematic designator C3)
C3_U_amp27 "100n 50V" C-0603-M -41.234,43.639 r270 bottom (schematic designator C3)
C3_U_amp27_1 "100n 50V" C-0603-M 41.234,-43.639 r90 bottom (schematic designator C3)
C3_U_amp28 "100n 50V" C-0603-M -52.724,43.639 r270 bottom (schematic designator C3)
C3_U_amp28_1 "100n 50V" C-0603-M 52.724,-43.639 r90 bottom (schematic designator C3)
C3_U_amp29 "100n 50V" C-0603-M -64.214,43.639 r270 bottom (schematic designator C3)
C3_U_amp29_1 "100n 50V" C-0603-M 64.214,-43.639 r90 bottom (schematic designator C3)
C3_U_amp30 "100n 50V" C-0603-M -75.704,43.639 r270 bottom (schematic designator C3)
C3_U_amp30_1 "100n 50V" C-0603-M 75.704,-43.639 r90 bottom (schematic designator C3)
C3_U_amp31 "100n 50V" C-0603-M 88.662,5.806 r270 bottom (schematic designator C3)
C3_U_amp31_1 "100n 50V" C-0603-M -88.662,-5.806 r90 bottom (schematic designator C3)
C3_U_amp32 "100n 50V" C-0603-M 76.172,5.806 r270 bottom (schematic designator C3)
C3_U_amp32_1 "100n 50V" C-0603-M -76.172,-5.806 r90 bottom (schematic designator C3)
C3_U_amp33 "100n 50V" C-0603-M 63.682,5.806 r270 bottom (schematic designator C3)
C3_U_amp33_1 "100n 50V" C-0603-M -63.682,-5.806 r90 bottom (schematic designator C3)
C3_U_amp34 "100n 50V" C-0603-M 51.191,5.806 r270 bottom (schematic designator C3)
C3_U_amp34_1 "100n 50V" C-0603-M -51.191,-5.806 r90 bottom (schematic designator C3)
C3_U_amp35 "100n 50V" C-0603-M 38.701,5.806 r270 bottom (schematic designator C3)
C3_U_amp35_1 "100n 50V" C-0603-M -38.701,-5.806 r90 bottom (schematic designator C3)
C3_U_amp36 "100n 50V" C-0603-M 26.211,5.806 r270 bottom (schematic designator C3)
C3_U_amp36_1 "100n 50V" C-0603-M -26.211,-5.806 r90 bottom (schematic designator C3)
C3_U_amp37 "100n 50V" C-0603-M 13.721,5.806 r270 bottom (schematic designator C3)
C3_U_amp37_1 "100n 50V" C-0603-M -13.721,-5.806 r90 bottom (schematic designator C3)
C3_U_amp38 "100n 50V" C-0603-M 1.231,5.806 r270 bottom (schematic designator C3)
C3_U_amp38_1 "100n 50V" C-0603-M -1.231,-5.806 r90 bottom (schematic designator C3)
C3_U_amp39 "100n 50V" C-0603-M -11.26,5.806 r270 bottom (schematic designator C3)
C3_U_amp39_1 "100n 50V" C-0603-M 11.26,-5.806 r90 bottom (schematic designator C3)
C3_U_amp40 "100n 50V" C-0603-M -23.75,5.806 r270 bottom (schematic designator C3)
C3_U_amp40_1 "100n 50V" C-0603-M 23.75,-5.806 r90 bottom (schematic designator C3)
C3_U_amp41 "100n 50V" C-0603-M -36.24,5.806 r270 bottom (schematic designator C3)
C3_U_amp41_1 "100n 50V" C-0603-M 36.24,-5.806 r90 bottom (schematic designator C3)
C3_U_amp42 "100n 50V" C-0603-M -48.73,5.806 r270 bottom (schematic designator C3)
C3_U_amp42_1 "100n 50V" C-0603-M 48.73,-5.806 r90 bottom (schematic designator C3)
C3_U_amp43 "100n 50V" C-0603-M -61.22,5.806 r270 bottom (schematic designator C3)
C3_U_amp43_1 "100n 50V" C-0603-M 61.22,-5.806 r90 bottom (schematic designator C3)
C3_U_amp44 "100n 50V" C-0603-M -73.711,5.806 r270 bottom (schematic designator C3)
C3_U_amp44_1 "100n 50V" C-0603-M 73.711,-5.806 r90 bottom (schematic designator C3)
C3_U_amp45 "100n 50V" C-0603-M -86.201,5.806 r270 bottom (schematic designator C3)
C3_U_amp45_1 "100n 50V" C-0603-M 86.201,-5.806 r90 bottom (schematic designator C3)
C4_U_amp1 "10u 35V" C-0805-M 86.909,74.747 r270 bottom (schematic designator C4)
C4_U_amp1_1 "10u 35V" C-0805-M -86.909,-74.747 r90 bottom (schematic designator C4)
C4_U_amp2 "10u 35V" C-0805-M 74.419,74.747 r270 bottom (schematic designator C4)
C4_U_amp2_1 "10u 35V" C-0805-M -74.419,-74.747 r90 bottom (schematic designator C4)
C4_U_amp3 "10u 35V" C-0805-M 61.929,74.747 r270 bottom (schematic designator C4)
C4_U_amp3_1 "10u 35V" C-0805-M -61.929,-74.747 r90 bottom (schematic designator C4)
C4_U_amp4 "10u 35V" C-0805-M 49.439,74.747 r270 bottom (schematic designator C4)
C4_U_amp4_1 "10u 35V" C-0805-M -49.439,-74.747 r90 bottom (schematic designator C4)
C4_U_amp5 "10u 35V" C-0805-M 36.949,74.747 r270 bottom (schematic designator C4)
C4_U_amp5_1 "10u 35V" C-0805-M -36.949,-74.747 r90 bottom (schematic designator C4)
C4_U_amp6 "10u 35V" C-0805-M 24.458,74.747 r270 bottom (schematic designator C4)
C4_U_amp6_1 "10u 35V" C-0805-M -24.458,-74.747 r90 bottom (schematic designator C4)
C4_U_amp7 "10u 35V" C-0805-M 11.968,74.747 r270 bottom (schematic designator C4)
C4_U_amp7_1 "10u 35V" C-0805-M -11.968,-74.747 r90 bottom (schematic designator C4)
C4_U_amp8 "10u 35V" C-0805-M -0.522,74.747 r270 bottom (schematic designator C4)
C4_U_amp8_1 "10u 35V" C-0805-M 0.522,-74.747 r90 bottom (schematic designator C4)
C4_U_amp9 "10u 35V" C-0805-M -13.012,74.747 r270 bottom (schematic designator C4)
C4_U_amp9_1 "10u 35V" C-0805-M 13.012,-74.747 r90 bottom (schematic designator C4)
C4_U_amp10 "10u 35V" C-0805-M -25.502,74.747 r270 bottom (schematic designator C4)
C4_U_amp10_1 "10u 35V" C-0805-M 25.502,-74.747 r90 bottom (schematic designator C4)
C4_U_amp11 "10u 35V" C-0805-M -37.993,74.747 r270 bottom (schematic designator C4)
C4_U_amp11_1 "10u 35V" C-0805-M 37.993,-74.747 r90 bottom (schematic designator C4)
C4_U_amp12 "10u 35V" C-0805-M -50.483,74.747 r270 bottom (schematic designator C4)
C4_U_amp12_1 "10u 35V" C-0805-M 50.483,-74.747 r90 bottom (schematic designator C4)
C4_U_amp13 "10u 35V" C-0805-M -62.973,74.747 r270 bottom (schematic designator C4)
C4_U_amp13_1 "10u 35V" C-0805-M 62.973,-74.747 r90 bottom (schematic designator C4)
C4_U_amp14 "10u 35V" C-0805-M -75.463,74.747 r270 bottom (schematic designator C4)